# Allegro board mini_trx_layout.brd (continued)
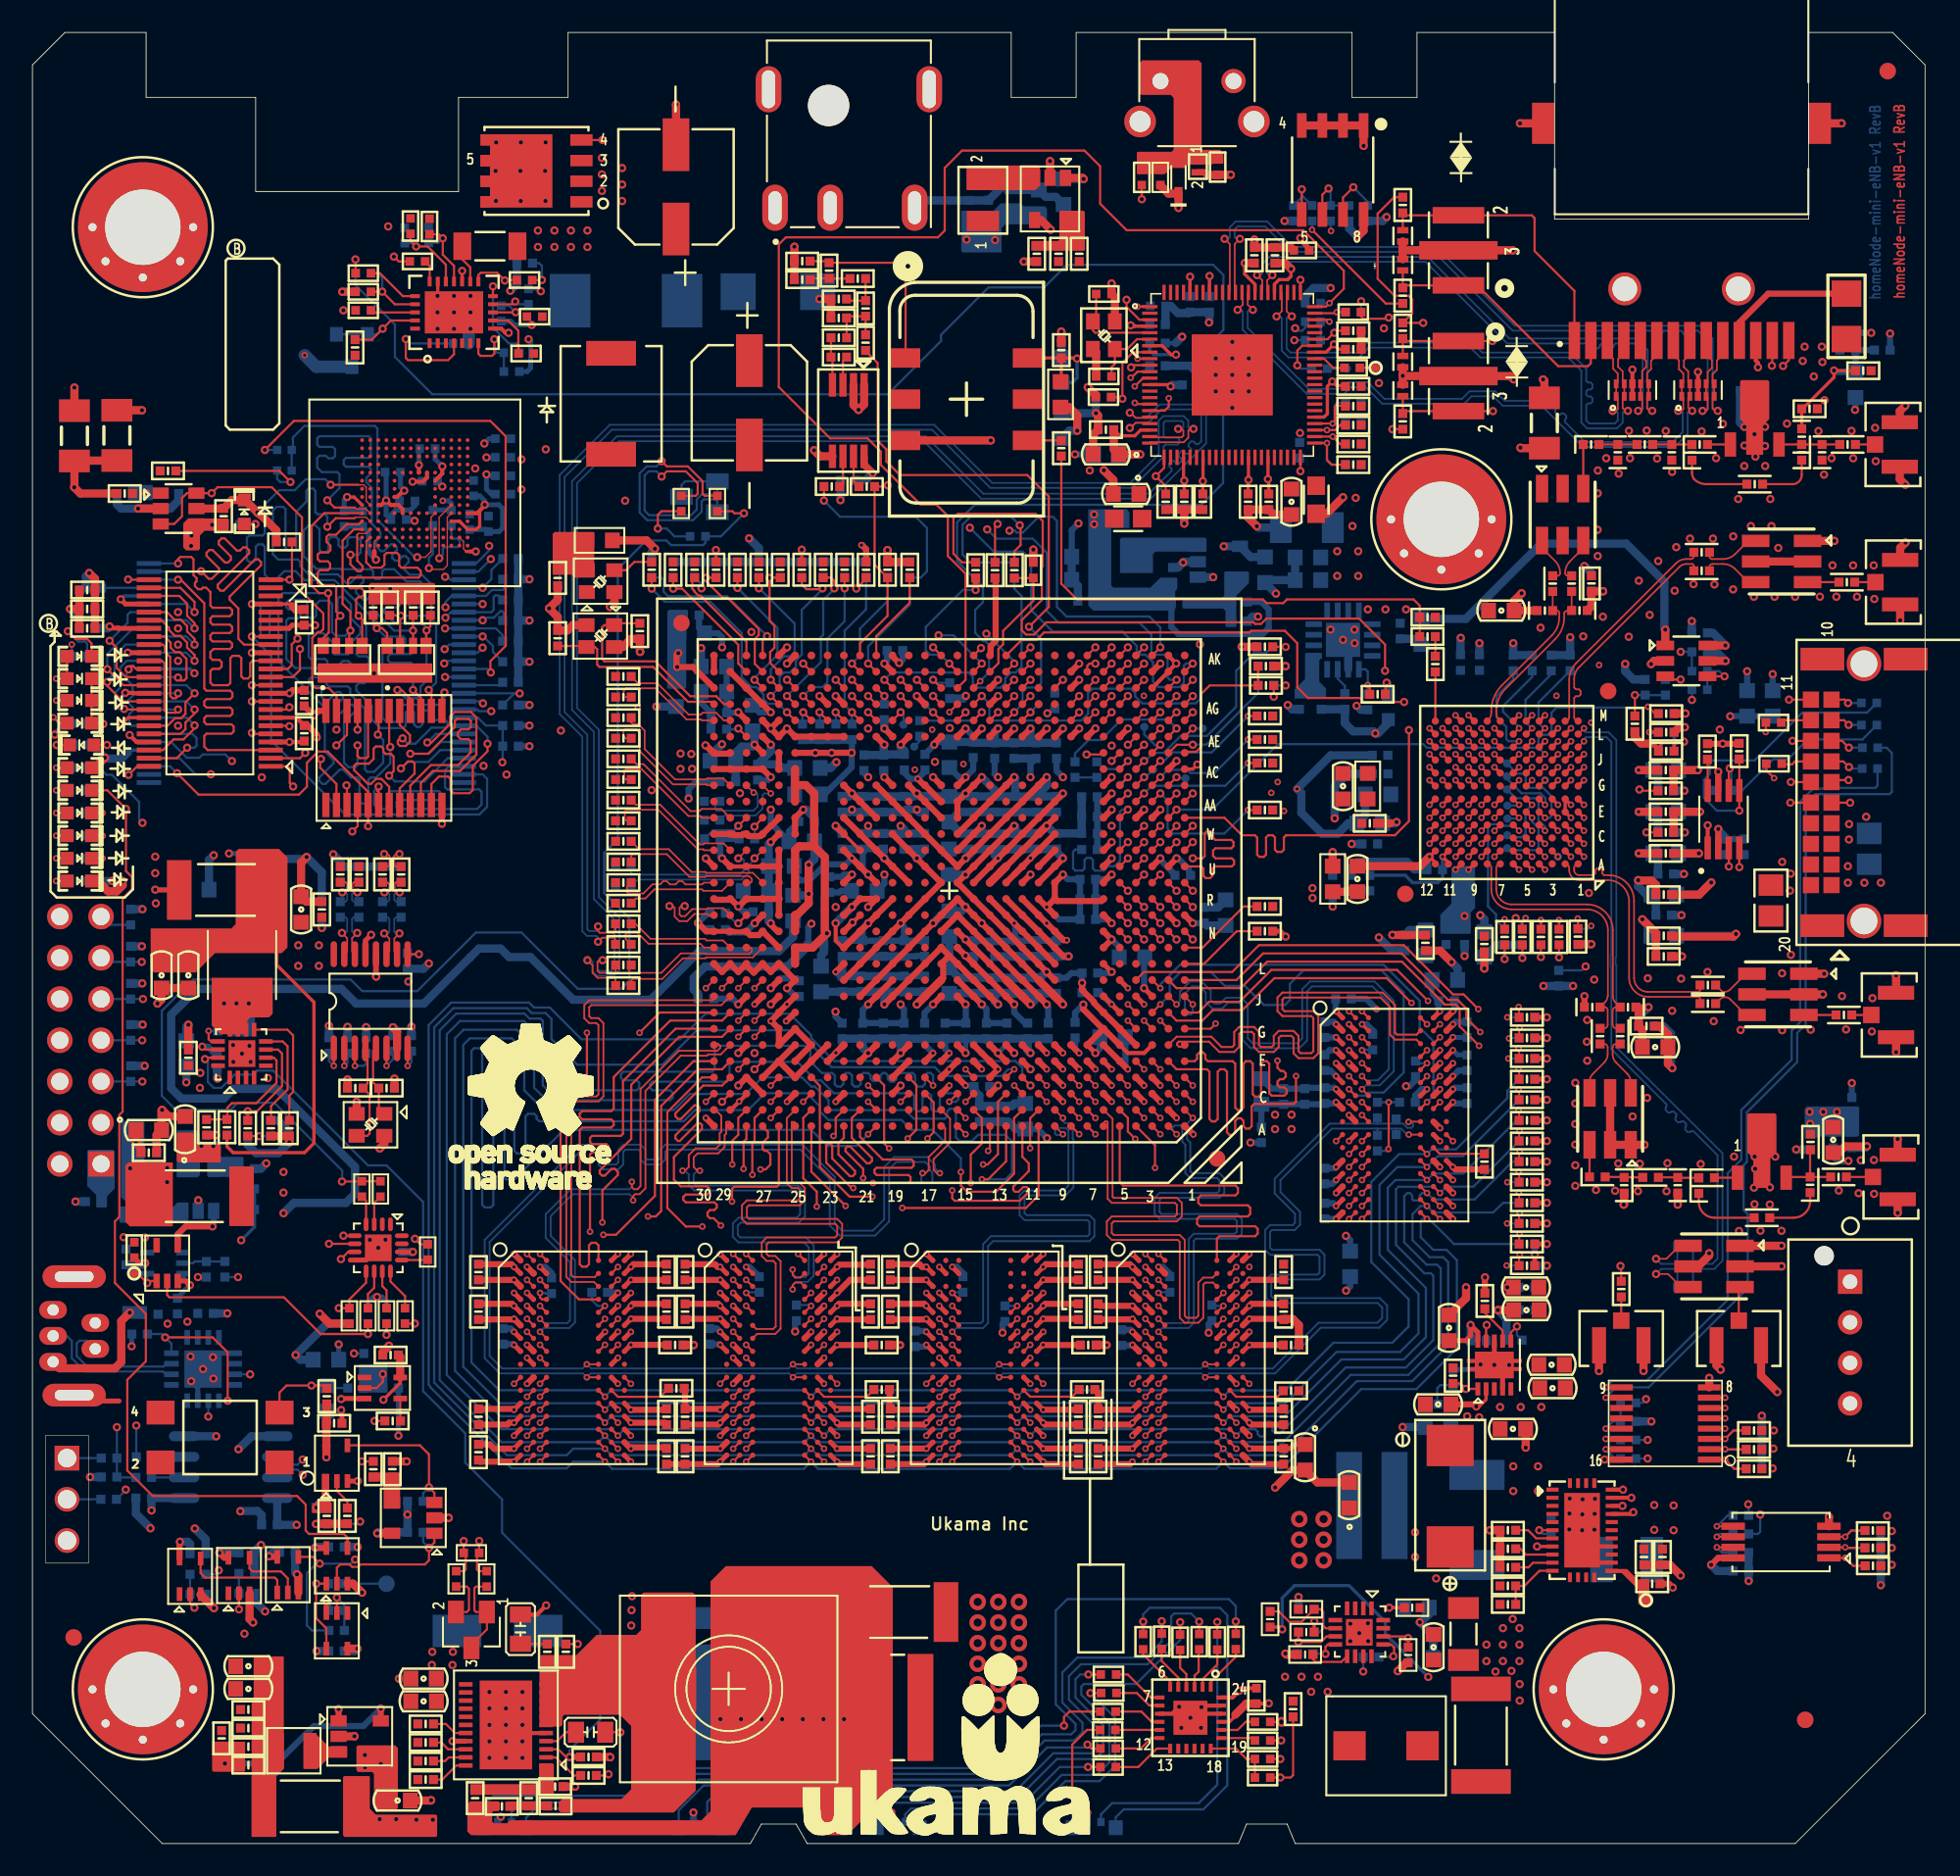
[diagram p0: board, top side]
## Routing (per net, layer and track width the routed paths; a pad name or vN(x,y) marks a point on that pad's centre or on a via; arc(x,y) is an arc through that point) (continued)
7130_BOOT_AD8: length 54.2
  TOP w0.137: v1(66.49,66.71) U1.AD5
  L6-SIGNAL w0.127: v1(28.95,66.63) 33.14,70.82 36.6,70.82 39.9,74.12 42.18,74.12 43.16,75.1 45.54,75.1 45.75,74.9 56.41,74.9 57.26,74.04 57.26,72.39 57.04,72.17 57.04,71.53 57.4,71.16 57.69,71.16 57.95,70.9 57.95,70.62 58.41,70.15 58.67,70.15 58.93,69.89 58.93,68.64 60.61,66.96 61.87,66.96 63.04,65.78 63.04,65.53 63.3,65.27 65.13,65.27 66.12,66.25 66.45,66.58 66.45,66.67 v1(66.49,66.71)
  BOTTOM w0.137: U64.20 26.58,69.38 27.44,69.38 27.93,68.89 R433.1 R434.1 28.97,66.65 v1(28.95,66.63)
7130_BOOT_AD9: length 80.2
  TOP w0.137: U1.AJ1 v1(71.49,72.71)
  L3-SIGNAL w0.127: v1(57.75,81.08) 57.75,80.71 58.38,80.08 60.62,80.08 61.27,80.74 61.27,81.42 60.93,81.76 58.86,81.76 55.22,85.4 54.83,85.78 50,85.78 48.84,86.94 34.38,86.94 28.88,81.44 28.88,79.12 28.47,78.71 27.96,78.71 26.21,76.95 26.13,76.95 26.13,76.95 25.12,76.95 24.65,76.48 24.65,74.98 25.19,74.44 27.68,74.44 v1(27.73,74.38)
  BOTTOM w0.137: v1(57.75,81.08) 59.23,79.61 61,79.61 61.52,79.09 61.52,76.01 62.85,74.68 67.15,74.68 68.04,73.8 68.04,73.52 68.3,73.26 68.57,73.26 69.04,72.8 69.04,71.6 69.38,71.26 70.67,71.26 70.94,71.52 70.94,72.57 71.07,72.71 v1(71.49,72.71) ; U64.10 26.58,74.38 v1(27.73,74.38) 27.78,74.38 28.37,73.79 28.37,73.43 R430.1
7130_BOOT_AD10: length 78.7
  TOP w0.137: U1.AH2 v1(70.49,71.71)
  L3-SIGNAL w0.127: v1(58.82,80.98) 58.82,81.33 54.74,85.41 47.97,85.41 46.77,86.61 38.17,86.61 37.79,86.24 34.07,86.24 33.03,85.2 33.03,85.02 33.42,84.62 33.42,84.44 33.24,84.26 33.06,84.26 32.67,84.66 32.49,84.66 32.31,84.48 32.31,84.3 32.71,83.9 32.71,83.72 32.53,83.55 32.35,83.55 31.95,83.94 31.77,83.94 31.59,83.76 31.59,83.58 31.99,83.19 31.99,83.01 31.81,82.83 31.63,82.83 31.23,83.22 31.05,83.22 30.88,83.04 30.88,82.86 31.27,82.47 31.27,82.29 31.09,82.11 30.91,82.11 30.61,82.41 30.43,82.41 29.21,81.2 29.21,80.95 29.34,80.82 30.2,80.82 30.32,80.69 30.32,80.44 30.2,80.31 29.34,80.31 29.21,80.18 29.21,79.81 29.34,79.69 30.46,79.69 30.58,79.56 30.58,79.31 30.46,79.18 30.36,79.18 30.23,79.05 30.23,78.53 30.1,78.4 29.85,78.4 29.72,78.53 29.72,79.05 29.6,79.18 29.34,79.18 29.21,79.05 29.21,78.15 29.03,77.97 27.7,77.97 27.54,77.81 26.35,76.62 25.26,76.62 24.98,76.34 24.98,75.32 v1(25.42,74.88)
  BOTTOM w0.137: R425.1 28.97,74.46 28.55,74.88 U64.9 25.42,74.88 v1(25.42,74.88) ; v1(58.82,80.98) 59.39,80.41 61.62,80.41 62.49,79.54 62.49,75.96 63.21,75.24 68.19,75.24 68.94,74.49 68.94,73.4 69.07,73.26 69.8,73.26 69.94,73.12 69.94,71.85 70.07,71.71 v1(70.49,71.71)
7130_BOOT_AD11: length 83.2
  TOP w0.137: U1.AG3 v1(69.49,70.71)
  L3-SIGNAL w0.127: v1(69.49,70.71) 69.02,71.17 67.28,71.17 66.93,70.83 66.93,70.53 66.67,70.27 64.3,70.27 63.74,70.83 63.04,70.83 62.62,71.25 62.59,71.25 62.59,73.19 62.78,73.38 63.04,73.63 63.04,76.55 60.38,79.2 55.77,79.2 50.64,84.33 46.65,84.33 46.53,84.46 46.53,84.7 46.4,84.83 46.15,84.83 46.02,84.7 46.02,84.46 45.89,84.33 45.64,84.33 45.51,84.46 45.51,84.7 45.38,84.83 45.13,84.83 45,84.7 45,84.46 44.88,84.33 44.62,84.33 44.49,84.46 44.49,84.7 44.37,84.83 44.11,84.83 43.99,84.7 43.99,84.46 43.86,84.33 43.61,84.33 43.48,84.46 43.48,84.7 43.35,84.83 43.1,84.83 42.97,84.7 42.97,84.46 42.84,84.33 42.59,84.33 42.46,84.46 42.46,84.7 42.34,84.83 42.08,84.83 41.95,84.7 41.95,84.46 41.83,84.33 41.57,84.33 41.45,84.46 41.45,84.7 41.32,84.83 41.07,84.83 40.94,84.7 40.94,84.46 40.81,84.33 40.28,84.33 38.99,85.62 38.58,85.62 38.2,85.25 35.62,85.25 33.83,83.46 33.83,76.19 34.22,75.81 34.22,75.56 34.09,75.43 33.81,75.43 33.68,75.3 33.68,75.05 33.81,74.92 34.09,74.92 34.22,74.8 34.22,74.34 33.94,74.06 33.4,74.06 33.28,74.19 33.28,76.29 33.15,76.42 32.89,76.42 32.77,76.29 32.77,75.69 32.64,75.57 32.07,75.57 31.94,75.44 31.94,75.18 32.07,75.06 32.64,75.06 32.77,74.93 32.77,74.19 32.64,74.06 32.39,74.06 31.7,74.74 29.4,74.74 29.27,74.87 29.27,75.27 29.4,75.4 30.05,75.4 30.17,75.52 30.17,75.78 30.05,75.9 29.4,75.9 29.27,76.03 29.27,76.37 29.14,76.49 28.89,76.49 28.76,76.37 28.76,74.87 28.63,74.74 28.37,74.74 v1(27.73,75.38)
  BOTTOM w0.137: U64.8 26.58,75.38 v1(27.73,75.38) 27.89,75.54 28.43,75.54 28.82,75.94 28.94,75.94 29.03,75.85 29.03,75.55 28.97,75.49 R429.1
7130_BOOT_AD12: length 81.9
  TOP w0.137: U1.AF4 v1(68.49,69.71)
  L3-SIGNAL w0.127: v1(68.49,69.71) 68.14,70.06 67.33,70.06 66.93,69.66 66.93,69.53 66.67,69.27 66.63,69.27 66.57,69.2 63.84,69.2 62.26,70.78 62.26,73.03 61.93,73.36 61.93,74.17 62.71,74.95 62.71,76.41 60.25,78.87 55.63,78.87 50.5,84 39.74,84 39.01,84.73 35.57,84.73 34.27,83.43 34.27,76.37 35.49,75.15 35.49,74.9 35.36,74.77 34.72,74.77 34.6,74.64 34.6,74.39 34.72,74.26 35.36,74.26 35.49,74.14 35.49,73.75 35.36,73.63 34.87,73.63 34.75,73.5 34.75,72.99 34.62,72.87 34.36,72.87 34.24,72.99 34.24,73.5 34.11,73.63 33.86,73.63 33.73,73.5 33.73,72.99 33.6,72.87 33.35,72.87 33.22,72.99 33.22,73.5 33.09,73.63 32.84,73.63 32.71,73.5 32.71,72.99 32.59,72.87 32.33,72.87 32.21,72.99 32.21,73.5 32.08,73.63 31.82,73.63 31.7,73.75 31.7,74.26 31.57,74.39 31.32,74.39 31.19,74.26 31.19,73.72 31.06,73.59 30.81,73.59 30.68,73.72 30.68,74.26 30.55,74.39 30.3,74.39 30.17,74.26 30.17,73.72 30.05,73.59 29.79,73.59 29.67,73.72 29.67,74.26 29.54,74.39 29.28,74.39 29.16,74.26 29.16,73.75 28.95,73.55 28.45,73.55 28.15,73.85 28.15,74.55 27.91,74.8 26.18,74.8 v1(25.44,75.54)
  BOTTOM w0.137: R428.1 28.96,76.64 28.69,76.91 28.51,76.91 28.41,76.81 28.41,76.03 28.27,75.88 26.58,75.88 U64.7 25.78,75.88 v1(25.44,75.54)
7130_BOOT_AD13: length 48
  TOP w0.137: v1(64.94,67.11) 65.89,67.11 U1.AD6
  L6-SIGNAL w0.127: v1(27.73,76.38) 27.95,76.38 30.13,78.55 34.88,78.55 36.65,76.79 41.93,76.79 42.96,77.82 44.95,77.82 45.59,77.18 46.36,77.18 46.64,76.9 46.79,76.9 50.56,76.9 50.57,76.89 57.2,76.89 57.22,76.88 57.23,76.88 58.08,76.02 59.27,76.02 60.95,74.34 60.95,73.61 61.3,73.27 61.56,73.27 62.38,72.44 62.38,71.25 63.71,69.92 63.71,69.34 63.95,69.1 63.95,68.1 v1(64.94,67.11)
  BOTTOM w0.137: U64.6 26.58,76.38 v1(27.73,76.38)
7130_BOOT_AD14: length 82
  TOP w0.137: U1.AH4 v1(68.49,71.71)
  L3-SIGNAL w0.127: v1(68.49,71.71) 68.04,72.15 67.17,72.15 67.04,72.03 67.04,71.64 66.57,71.16 63.18,71.16 62.92,71.42 62.92,73.05 63.37,73.49 63.37,76.69 60.52,79.53 55.98,79.53 50.76,84.75 47.69,84.75 46.49,85.95 45.9,85.95 45.77,85.82 45.77,85.31 45.65,85.18 45.39,85.18 45.27,85.31 45.27,85.82 45.14,85.95 44.89,85.95 44.76,85.82 44.76,85.31 44.63,85.18 44.38,85.18 44.25,85.31 44.25,85.82 44.12,85.95 43.87,85.95 43.74,85.82 43.74,85.31 43.62,85.18 43.36,85.18 43.23,85.31 43.23,85.82 43.11,85.95 42.85,85.95 42.73,85.82 42.73,85.31 42.6,85.18 42.35,85.18 42.22,85.31 42.22,85.82 42.09,85.95 41.84,85.95 41.71,85.82 41.71,85.31 41.58,85.18 41.33,85.18 41.2,85.31 41.2,85.82 41.08,85.95 40.82,85.95 40.69,85.82 40.69,85.31 40.57,85.18 40.31,85.18 40.19,85.31 40.19,85.82 40.06,85.95 38.44,85.95 38.07,85.58 35.49,85.58 33.35,83.44 33.35,82.89 33.22,82.76 32.56,82.76 32.44,82.64 32.44,82.38 32.56,82.25 33.22,82.25 33.35,82.13 33.35,81.87 33.22,81.75 32.56,81.75 32.44,81.62 32.44,81.37 32.56,81.24 33.22,81.24 33.35,81.11 33.35,80.86 33.22,80.73 32.56,80.73 32.44,80.6 32.44,80.35 32.56,80.22 33.22,80.22 33.35,80.1 33.35,79.84 33.22,79.71 32.56,79.71 32.44,79.59 32.44,79.33 32.56,79.21 33.22,79.21 33.35,79.08 33.35,78.83 33.22,78.7 32.56,78.7 32.44,78.57 32.44,78.32 32.56,78.19 33.22,78.19 33.35,78.06 33.35,77.41 32.76,76.82 27.48,76.82 26.84,76.18 v1(25.44,76.18)
  BOTTOM w0.137: v1(25.44,76.18) 25.45,76.18 25.45,76.51 25.82,76.88 U64.5 27.94,76.88 28.31,77.25 28.98,77.25 29.11,77.37 29.11,77.77 R427.1
7130_BOOT_AD15: length 79.7
  TOP w0.137: U1.AK3 v1(69.49,73.71)
  L3-SIGNAL w0.127: v1(27.73,77.38) 31.95,77.38 32.11,77.54 32.11,78.38 31.9,78.58 31.04,78.58 30.91,78.71 30.91,79.52 31.04,79.65 31.68,79.65 31.8,79.78 31.8,80.03 31.68,80.16 31.04,80.16 30.91,80.28 30.91,80.54 31.04,80.67 31.68,80.67 31.8,80.79 31.8,81.05 31.68,81.17 31.04,81.17 30.91,81.3 30.91,81.55 31.04,81.68 31.68,81.68 31.8,81.81 31.8,82.42 35.3,85.91 37.93,85.91 38.3,86.28 46.63,86.28 47.83,85.08 52.63,85.08 52.89,84.83 52.89,84.65 52.72,84.48 52.72,84.3 52.9,84.12 53.08,84.12 53.24,84.29 53.42,84.29 53.94,83.78 53.94,83.6 53.25,82.91 53.25,82.73 53.43,82.55 53.61,82.55 54.29,83.24 54.47,83.24 54.65,83.06 54.65,82.88 53.97,82.19 53.97,82.01 54.15,81.83 54.33,81.83 55.01,82.52 55.19,82.52 55.37,82.34 55.37,82.16 54.69,81.47 54.69,81.29 54.87,81.12 55.04,81.12 55.73,81.8 55.91,81.8 56.09,81.62 56.09,81.44 55.4,80.76 55.4,80.58 55.58,80.4 55.76,80.4 56.1,80.74 56.28,80.74 56.92,80.1 57.1,80.1 57.25,80.25 57.25,80.48 56.64,81.09 56.64,81.27 56.89,81.52 57.94,81.52 58.2,81.26 58.2,80.73 58.51,80.41 59.72,80.41 60.19,80.88 v1(60.19,80.9)
  BOTTOM w0.137: R426.1 28.27,78.48 28.27,77.92 v1(27.73,77.38) 26.58,77.38 U64.4 ; v1(69.49,73.71) 69.49,74.93 68.81,75.61 63.71,75.61 63.12,76.2 63.12,81.5 62.87,81.75 61.98,81.75 61.01,80.78 60.64,80.78 60.52,80.9 v1(60.19,80.9)
7130_BOOT_AD16: length 105.5
  TOP w0.137: U22.47 8.88,66.88 v1(9.53,67.52) ; v1(67.49,70.71) U1.AG5
  L6-SIGNAL w0.127: v1(9.53,67.52) 9.54,67.54 9.54,71.06 10.15,71.67 10.16,71.67 10.42,71.93 10.42,71.94 10.52,72.05 10.52,74.87 10.52,75.14 17.37,81.98 19.23,81.98 19.84,82.59 19.84,85.54 21.03,86.73 31.78,86.73 32.74,85.77 32.74,85.6 32.59,85.44 32.59,85.26 32.76,85.09 32.94,85.09 33.1,85.24 33.27,85.24 33.45,85.06 33.45,84.88 33.3,84.73 33.3,84.55 33.48,84.37 33.66,84.37 33.81,84.52 33.99,84.52 35.36,83.15 35.36,82.16 35.94,81.59 37.38,81.59 38.65,82.85 45.79,82.85 47.13,81.51 54.74,81.51 56.41,79.84 58.16,79.84 59.33,79.84 59.74,79.43 60.77,79.43 61.22,79.89 61.22,79.92 61.48,80.18 62.71,80.18 62.84,80.05 62.84,79.31 62.96,79.18 63.22,79.18 63.35,79.31 63.35,80.05 63.47,80.18 63.73,80.18 63.85,80.05 63.85,79.31 63.98,79.18 64.23,79.18 64.36,79.31 64.36,80.05 64.49,80.18 64.74,80.18 64.87,80.05 64.87,79.31 65,79.18 65.25,79.18 65.38,79.31 65.38,80.05 65.5,80.18 66.07,80.18 66.49,79.75 66.49,79.57 66.24,79.32 66.24,79.14 66.42,78.96 66.6,78.96 66.85,79.22 67.03,79.22 67.21,79.04 67.21,78.86 66.96,78.6 66.96,78.42 67.14,78.25 67.32,78.25 67.57,78.5 67.75,78.5 67.93,78.32 67.93,78.14 67.68,77.89 67.68,77.71 67.86,77.53 68.04,77.53 68.29,77.78 68.47,77.78 69.02,77.23 69.02,76.65 68.89,76.53 68.42,76.53 68.29,76.4 68.29,76.14 68.42,76.02 68.89,76.02 69.02,75.89 69.02,75.64 68.89,75.51 68.42,75.51 68.29,75.38 68.29,75.13 68.42,75 68.89,75 69.02,74.87 69.02,72.5 68.67,72.15 68.3,72.15 68.04,71.89 68.04,71.58 67.75,71.29 67.75,70.97 v1(67.49,70.71)
  BOTTOM w0.137: v1(9.53,67.52) 9.98,67.52 10.11,67.66 10.11,68.11 9.85,68.38 U64.35
7130_BOOT_AD17: length 107.5
  TOP w0.137: U22.46 8.03,67.38 8.69,68.04 9.3,68.04 9.99,68.72 v1(9.99,68.9) ; v1(68.49,72.71) U1.AJ4
  L3-SIGNAL w0.127: v1(68.49,72.71) 68.93,73.15 69.74,73.15 70.02,73.43 70.02,82.66 64.36,88.32 63.47,88.32 61.23,90.56 17.91,90.56 17.08,89.73 15.32,89.73 14.74,89.15 5.02,79.43 5.02,79.14 3.32,77.45 3.32,75.66 3.32,75.66 3.32,71.61 5.46,69.47 5.46,69.47 5.51,69.42 9.46,69.42 v1(9.99,68.9)
  BOTTOM w0.137: U64.37 9.51,69.38 v1(9.99,68.9)
7130_BOOT_AD18: length 104.2
  TOP w0.137: v1(9.99,69.88) 9.99,69.64 9.43,69.08 9.43,68.67 9.14,68.38 7.18,68.38 U22.44 ; v1(66.49,69.71) U1.AF6
  L6-SIGNAL w0.127: v1(66.49,69.71) 66.93,70.15 66.93,70.93 67.05,71.05 67.05,71.52 67.04,71.53 67.04,73.89 67.05,73.9 67.05,75.95 64.56,78.44 59.79,78.44 59.64,78.59 59.06,79.18 56.09,79.18 54.48,80.79 46.92,80.79 46.41,81.3 39.27,81.3 39.04,81.53 38.26,81.53 37.66,80.92 35.66,80.92 34.02,82.57 33.34,82.57 33.22,82.44 33.22,81.86 33.09,81.73 32.83,81.73 32.71,81.86 32.71,82.44 32.58,82.57 28.73,82.57 28.22,83.08 26.54,83.08 26.26,83.36 26.26,85.42 25.97,85.72 23.01,85.72 22.73,85.44 22.73,84.63 22.61,84.5 22.12,84.5 21.99,84.37 21.99,83.64 21.86,83.52 21.61,83.52 21.48,83.64 21.48,84.37 21.35,84.5 20.97,84.5 20.78,84.3 20.78,82.21 20.91,82.08 22.63,82.08 22.78,81.93 22.78,81.7 22.66,81.57 20.91,81.57 20.78,81.44 20.78,81.04 20.4,80.66 19.09,80.66 18.97,80.54 18.97,79.99 18.84,79.86 18.58,79.86 18.46,79.99 18.46,80.54 18.33,80.66 17.07,80.66 16.85,80.44 16.85,80.27 17.51,79.6 17.51,79.42 17.33,79.24 17.15,79.24 16.49,79.91 16.31,79.91 16.13,79.73 16.13,79.55 16.8,78.89 16.8,78.71 16.62,78.53 16.44,78.53 15.77,79.19 15.6,79.19 14.17,77.76 14.17,77.58 14.85,76.91 14.85,76.73 14.67,76.55 14.49,76.55 13.81,77.22 13.63,77.22 12.52,76.12 12.52,75.94 13.14,75.32 13.14,75.14 12.96,74.96 12.78,74.96 12.16,75.58 11.98,75.58 11.18,74.78 11.18,71.56 10.71,71.09 10.71,70.61 v1(9.99,69.88)
  BOTTOM w0.137: v1(9.99,69.88) 9.49,70.38 U64.39
7130_BOOT_AD19: length 104.4
  TOP w0.137: v1(67.49,71.71) U1.AH5 ; v1(9.99,70.88) 9.43,70.32 9.43,69.61 9.15,69.34 8.78,69.34 8.32,68.88 U22.43
  L6-SIGNAL w0.127: v1(9.99,70.88) 10.85,71.75 10.85,75 17.5,81.65 18.88,81.65 19.01,81.53 19.01,81.27 19.13,81.15 19.39,81.15 19.51,81.27 19.51,81.53 19.64,81.65 20.27,81.65 20.4,81.78 20.4,85.44 21.16,86.2 21.53,86.2 21.65,86.07 21.65,85.18 21.81,85.03 22.04,85.03 22.16,85.16 22.16,86.07 22.29,86.2 26.42,86.2 26.77,85.85 26.77,84.05 27.11,83.71 28.25,83.71 28.55,84.02 30.59,84.02 30.72,83.89 30.72,82.97 30.85,82.85 31.1,82.85 31.23,82.97 31.23,83.89 31.36,84.02 31.61,84.02 31.74,83.89 31.74,82.97 31.86,82.85 32.12,82.85 32.24,82.97 32.24,83.89 32.37,84.02 33,84.02 35.55,81.47 35.59,81.47 35.8,81.26 37.52,81.26 38.76,82.49 39.2,82.49 39.32,82.36 39.32,81.95 39.45,81.82 39.7,81.82 39.83,81.95 39.83,82.36 39.96,82.49 40.21,82.49 40.34,82.36 40.34,81.95 40.47,81.82 40.72,81.82 40.85,81.95 40.85,82.36 40.97,82.49 41.23,82.49 41.35,82.36 41.35,81.95 41.48,81.82 41.74,81.82 41.86,81.95 41.86,82.36 41.99,82.49 42.24,82.49 42.37,82.36 42.37,81.95 42.5,81.82 42.75,81.82 42.88,81.95 42.88,82.36 43.01,82.49 44.4,82.49 44.53,82.36 44.53,81.81 44.66,81.68 44.91,81.68 45.04,81.81 45.04,82.36 45.16,82.49 45.68,82.49 47.06,81.12 54.61,81.12 56.22,79.51 59.2,79.51 59.85,78.85 65.8,78.85 65.99,78.66 65.99,78.48 65.58,78.07 65.58,77.89 65.76,77.71 65.94,77.71 66.35,78.12 66.53,78.12 66.71,77.94 66.71,77.76 66.3,77.35 66.3,77.17 66.48,76.99 66.66,76.99 67.07,77.4 67.25,77.4 67.96,76.69 67.96,76.31 67.84,76.18 67.51,76.18 67.38,76.06 67.38,75.8 67.51,75.68 67.84,75.68 67.96,75.55 67.96,75.3 67.84,75.17 67.51,75.17 67.38,75.04 67.38,74.79 67.51,74.66 67.84,74.66 67.96,74.53 67.96,72.28 67.71,72.03 67.71,71.94 v1(67.49,71.71)
  BOTTOM w0.137: v1(9.99,70.88) 9.49,71.38 U64.41
7130_BOOT_AD20: length 109.1
  TOP w0.137: v1(5.64,69.92) 5.68,69.88 U22.41 ; v1(68.49,73.71) U1.AK4
  L3-SIGNAL w0.127: v1(5.64,69.92) 4.42,71.14 4.42,71.14 4.16,71.4 4.16,71.4 3.72,71.84 3.72,72.78 3.65,72.85 3.65,75.52 3.65,75.52 3.65,77.31 5.35,79 5.35,79.29 13.3,87.24 16.11,87.24 16.24,87.37 16.24,87.9 16.36,88.03 16.62,88.03 16.75,87.9 16.75,87.37 16.87,87.24 17.13,87.24 17.25,87.37 17.25,87.9 17.38,88.03 17.63,88.03 17.76,87.9 17.76,87.37 17.89,87.24 18.14,87.24 18.27,87.37 18.27,87.9 18.4,88.03 18.65,88.03 18.78,87.9 18.78,87.37 18.9,87.24 19.16,87.24 19.29,87.37 19.29,87.9 19.41,88.03 19.67,88.03 19.79,87.9 19.79,87.37 19.92,87.24 20.17,87.24 20.3,87.37 20.3,87.9 20.43,88.03 20.68,88.03 20.81,87.9 20.81,87.37 20.94,87.24 21.19,87.24 21.32,87.37 21.32,87.9 21.44,88.03 21.7,88.03 21.83,87.9 21.83,87.37 21.95,87.24 22.21,87.24 22.33,87.37 22.33,87.9 22.46,88.03 22.71,88.03 22.84,87.9 22.84,87.37 22.97,87.24 23.22,87.24 23.35,87.37 23.35,87.9 23.48,88.03 23.73,88.03 23.86,87.9 23.86,87.37 23.98,87.24 24.83,87.24 27.81,90.23 60.88,90.23 63.11,87.99 64.07,87.99 68.93,83.13 68.93,74.15 v1(68.49,73.71)
  BOTTOM w0.137: U64.44 5.81,72.88 5.41,72.48 5.41,71.24 5.07,70.89 5.07,70.18 5.33,69.92 v1(5.64,69.92)
7130_BOOT_AD21: length 105.5
  TOP w0.137: v1(66.49,70.71) U1.AG6 ; U22.40 7.18,70.38 5.57,70.38 4.61,71.34 v1(4.61,71.58)
  L6-SIGNAL w0.127: v1(4.61,71.58) 6.55,71.58 8.52,69.6 8.52,67.65 9.1,67.07 9.71,67.07 11.04,68.41 11.04,70.95 11.51,71.42 11.51,73.05 12,73.54 12.18,73.54 12.56,73.16 12.74,73.16 12.92,73.34 12.92,73.52 12.54,73.89 12.54,74.07 13.51,75.05 13.63,75.05 13.99,75.4 14.17,75.4 15.38,74.19 15.55,74.19 15.73,74.37 15.73,74.55 14.53,75.76 14.53,75.94 14.71,76.12 14.88,76.12 16.09,74.91 16.27,74.91 16.45,75.09 16.45,75.27 15.24,76.48 15.24,76.66 16.28,77.7 16.28,77.72 17.53,78.97 19.77,78.97 21.62,80.82 23.49,80.82 24.07,81.4 24.35,81.4 24.48,81.27 24.48,80.94 24.61,80.82 24.86,80.82 24.99,80.94 24.99,81.27 25.12,81.4 25.37,81.4 25.5,81.27 25.5,80.94 25.62,80.82 25.88,80.82 26.01,80.94 26.01,81.27 26.13,81.4 26.39,81.4 26.51,81.27 26.51,80.94 26.64,80.82 26.89,80.82 27.02,80.94 27.02,81.27 27.15,81.4 27.4,81.4 27.53,81.27 27.53,80.94 27.66,80.82 27.91,80.82 28.04,80.94 28.04,81.27 28.16,81.4 28.4,81.4 28.53,81.53 28.53,82.06 28.66,82.19 28.91,82.19 29.04,82.06 29.04,81.53 29.16,81.4 29.42,81.4 29.54,81.53 29.54,82.06 29.67,82.19 29.93,82.19 30.05,82.06 30.05,81.53 30.18,81.4 30.43,81.4 30.56,81.53 30.56,82.06 30.69,82.19 30.94,82.19 31.07,82.06 31.07,81.53 31.2,81.4 31.45,81.4 31.58,81.53 31.58,81.96 31.7,82.09 31.96,82.09 32.08,81.96 32.08,81.53 32.21,81.4 34.72,81.4 35.56,80.56 43.18,80.56 43.56,80.94 46.18,80.94 46.67,80.46 54.34,80.46 55.95,78.84 58.92,78.84 59.66,78.11 63.26,78.11 65.98,75.39 65.98,71.21 v1(66.49,70.71)
  BOTTOM w0.137: U64.46 5.74,73.88 5.06,73.2 5.06,72.12 4.61,71.66 v1(4.61,71.58)
7130_BOOT_AD22: length 108.5
  TOP w0.137: v1(4.61,72.36) 4.69,72.28 4.69,72.28 5.6,71.38 U22.38 ; v1(67.49,72.71) U1.AJ5
  L3-SIGNAL w0.127: v1(67.49,72.71) 68.01,73.24 68.01,74.95 68.14,75.08 68.47,75.08 68.6,75.21 68.6,75.46 68.47,75.59 68.14,75.59 68.01,75.72 68.01,75.97 68.14,76.1 68.47,76.1 68.6,76.22 68.6,76.48 68.47,76.61 68.14,76.61 68.01,76.73 68.01,76.99 68.14,77.11 68.47,77.11 68.6,77.24 68.6,77.49 68.47,77.62 68.14,77.62 68.01,77.75 68.01,78 68.14,78.13 68.47,78.13 68.6,78.26 68.6,78.51 68.47,78.64 68.14,78.64 68.01,78.76 68.01,79.02 68.14,79.15 68.47,79.15 68.6,79.27 68.6,79.53 68.47,79.65 68.14,79.65 68.01,79.78 68.01,80.03 68.14,80.16 68.47,80.16 68.6,80.29 68.6,80.54 68.47,80.67 68.14,80.67 68.01,80.8 68.01,81.05 68.14,81.18 68.47,81.18 68.6,81.3 68.6,81.56 68.47,81.69 68.14,81.69 68.01,81.81 68.01,82.07 68.14,82.19 68.47,82.19 68.6,82.32 68.6,82.57 68.47,82.7 68.14,82.7 68.01,82.83 68.01,83.57 65.1,86.49 62.76,86.49 59.35,89.9 28.59,89.9 28.58,89.88 28.2,89.88 24.82,86.5 22.66,86.5 22.54,86.63 22.54,86.78 22.41,86.91 22.15,86.91 22.03,86.78 22.03,86.63 21.9,86.5 21.65,86.5 21.52,86.63 21.52,86.78 21.39,86.91 21.14,86.91 21.01,86.78 21.01,86.63 20.88,86.5 20.63,86.5 20.5,86.63 20.5,86.78 20.38,86.91 20.12,86.91 20,86.78 20,86.63 19.87,86.5 19.61,86.5 19.49,86.63 19.49,86.78 19.36,86.91 19.11,86.91 18.98,86.78 18.98,86.63 18.85,86.5 15.92,86.5 11.98,82.57 9.53,82.57 7.11,80.15 7.11,79.48 6.99,79.36 6.48,79.36 6.35,79.23 6.35,78.98 6.48,78.85 6.99,78.85 7.11,78.72 7.11,78.47 6.99,78.34 6.48,78.34 6.35,78.21 6.35,77.96 6.48,77.83 6.99,77.83 7.11,77.71 7.11,76.52 6.61,76.01 4.53,76.01 3.98,75.47 3.98,75.39 3.98,75.38 3.98,73.2 4.04,73.14 4.04,72.93 v1(4.61,72.36)
  BOTTOM w0.137: U64.48 6.19,74.88 4.61,73.3 v1(4.61,72.36)
7130_BOOT_AD23: length 107.6
  TOP w0.137: v1(66.49,71.71) U1.AH6 ; v1(4.75,74.12) 5.19,73.69 5.19,72.44 5.75,71.88 U22.37
  L3-SIGNAL w0.127: v1(4.75,74.12) 6.5,74.12 6.86,73.75 6.86,71.39 7.09,71.16 7.57,71.16 7.84,71.44 7.84,79.89 9.78,81.83 12.27,81.83 16.28,85.84 25.25,85.84 28.6,89.2 52.46,89.2 52.59,89.07 52.59,88.46 52.71,88.33 52.97,88.33 53.09,88.46 53.09,89.07 53.22,89.2 53.47,89.2 53.6,89.07 53.6,88.46 53.73,88.33 53.98,88.33 54.11,88.46 54.11,89.07 54.24,89.2 54.49,89.2 54.62,89.07 54.62,88.46 54.74,88.33 55,88.33 55.13,88.46 55.13,89.07 55.25,89.2 55.51,89.2 55.63,89.07 55.63,88.46 55.76,88.33 56.01,88.33 56.14,88.46 56.14,89.07 56.27,89.2 56.52,89.2 56.65,89.07 56.65,88.46 56.78,88.33 57.03,88.33 57.16,88.46 57.16,89.07 57.28,89.2 57.54,89.2 57.67,89.07 57.67,88.46 57.79,88.33 58.05,88.33 58.17,88.46 58.17,89.07 58.3,89.2 58.98,89.2 65.17,83 65.86,83 66.7,82.16 66.7,74.12 66.93,73.89 66.93,73.53 66.7,73.3 66.7,73.12 66.93,72.89 66.93,72.53 66.49,72.08 v1(66.49,71.71)
  BOTTOM w0.137: U64.50 6.02,75.88 5.86,75.72 5.86,75.22 v1(4.75,74.12)
7130_BOOT_AD24: length 106.4
  TOP w0.137: v1(5.92,72.35) 5.93,72.37 5.93,72.44 6.05,72.56 6.21,72.56 6.39,72.38 U22.36 ; v1(65.49,69.71) U1.AF7
  L6-SIGNAL w0.127: v1(5.92,72.35) 5.71,72.35 4.93,73.13 4.29,73.13 3.83,72.68 3.83,71.1 5.46,69.47 6.04,69.47 6.63,68.88 6.63,68.02 6.76,67.9 7.57,67.9 7.7,67.77 7.7,67.51 7.57,67.39 6.76,67.39 6.63,67.26 6.63,66.11 7.29,65.45 7.97,65.45 8.09,65.32 8.09,64.74 8.22,64.61 8.47,64.61 8.6,64.74 8.6,65.32 8.73,65.45 9.76,65.45 12.3,67.99 12.3,71.77 12.65,72.13 14.51,72.13 15.05,71.58 15.05,68.53 15.06,68.52 15.06,67.56 16.66,65.96 18,65.96 18.55,66.51 18.55,67.15 18.29,67.41 18.29,67.48 18.28,67.49 18.28,67.85 18.29,67.86 18.29,68.45 18.28,68.46 18.28,68.82 18.71,69.25 18.71,74.58 19.41,75.28 19.41,75.87 19.81,76.26 22.2,76.26 23.46,77.53 25.75,77.53 26.6,78.37 28.89,78.37 29.88,79.36 35.36,79.36 35.39,79.33 35.91,78.82 45.81,78.82 46.08,78.54 50.88,78.54 51.56,77.85 58.51,77.85 60.58,75.78 61.72,75.78 63.98,73.52 63.98,71.59 64.3,71.27 64.56,71.27 64.93,70.89 64.93,70.64 65.49,70.08 v1(65.49,69.71)
  BOTTOM w0.137: U64.36 6.1,68.88 5.97,69.02 5.97,69.6 6.18,69.82 6.18,70.01 5.92,70.28 5.92,70.47 6.17,70.72 6.17,71.36 5.8,71.73 5.8,72.24 v1(5.92,72.35)
7130_BOOT_AD25: length 106
  TOP w0.137: v1(8.97,69.88) 8.97,69.82 8.83,69.68 8.27,69.68 8.13,69.82 8.13,72.73 7.98,72.88 U22.35 ; v1(67.49,73.71) U1.AK5
  L3-SIGNAL w0.127: v1(67.49,73.71) 67.6,73.82 67.6,76.42 67.47,76.55 67.21,76.55 67.08,76.68 67.08,76.93 67.21,77.06 67.47,77.06 67.6,77.19 67.6,77.44 67.47,77.57 67.21,77.57 67.08,77.69 67.08,77.95 67.21,78.07 67.47,78.07 67.6,78.2 67.6,78.46 67.47,78.58 67.21,78.58 67.08,78.71 67.08,78.96 67.21,79.09 67.47,79.09 67.6,79.22 67.6,79.47 67.47,79.6 67.21,79.6 67.08,79.73 67.08,79.98 67.21,80.11 67.47,80.11 67.6,80.23 67.6,80.49 67.47,80.61 67.21,80.61 67.08,80.74 67.08,81 67.21,81.12 67.47,81.12 67.6,81.25 67.6,81.73 66,83.33 65.31,83.33 59.09,89.55 28.49,89.55 25.11,86.17 16.05,86.17 12.07,82.19 9.65,82.19 7.57,80.1 7.57,80.09 7.51,80.03 7.51,74.8 7.18,74.47 6.48,74.47 6.36,74.59 6.36,75.53 6.23,75.66 5.98,75.66 5.85,75.53 5.85,74.59 5.72,74.47 5.34,74.47 5.2,74.6 5.2,75.18 4.92,75.46 4.44,75.46 4.31,75.33 4.31,75.25 4.31,75.25 4.31,73.34 7.77,69.88 v1(8.97,69.88)
  BOTTOM w0.137: U64.38 v1(8.97,69.88)
7130_BOOT_AD26: length 105.9
  TOP w0.137: v1(66.49,72.71) U1.AJ6 ; v1(8.97,70.88) 8.97,70.72 8.83,70.58 8.62,70.58 8.49,70.71 8.49,73.11 8.16,73.44 8.16,73.75 8.03,73.88 U22.33
  L3-SIGNAL w0.127: v1(8.97,70.88) 9.41,71.32 10.07,71.32 10.46,71.72 10.46,73.03 10.17,73.32 9.81,73.32 9.51,73.62 9.51,76.18 11.35,78.02 11.35,78.2 11.09,78.46 11.09,78.64 11.27,78.82 11.45,78.82 11.71,78.56 11.89,78.56 12.07,78.74 12.07,78.91 11.8,79.18 11.8,79.36 11.98,79.54 12.16,79.54 12.43,79.27 12.61,79.27 12.79,79.45 12.79,79.63 12.52,79.9 12.52,80.08 12.7,80.26 12.88,80.26 13.15,79.99 13.33,79.99 14,80.66 14.66,80.66 15.19,81.2 15.19,82.14 15.78,82.72 16.54,82.72 16.97,83.15 17.15,83.15 17.41,82.89 17.59,82.89 17.77,83.07 17.77,83.25 17.51,83.51 17.51,83.69 18.7,84.88 19.32,84.88 19.45,84.75 19.45,83.54 19.58,83.42 19.83,83.42 19.96,83.54 19.96,84.83 20.09,84.96 20.32,84.96 20.44,84.83 20.44,83.57 20.59,83.42 20.82,83.42 20.95,83.54 20.95,84.83 21.08,84.96 21.33,84.96 21.46,84.83 21.46,83.57 21.61,83.42 21.86,83.42 21.99,83.54 21.99,84.9 22.12,85.03 22.8,85.03 22.92,84.9 22.92,84.55 23.07,84.4 25.63,84.4 25.95,84.72 26.13,84.72 26.38,84.47 26.56,84.47 26.74,84.65 26.74,84.83 26.3,85.27 26.3,85.45 26.48,85.63 26.66,85.63 27.1,85.19 27.28,85.19 27.46,85.37 27.46,85.55 27.02,85.99 27.02,86.38 27.74,87.1 28.13,87.1 28.78,86.45 28.96,86.45 29.14,86.62 29.14,86.8 28.49,87.46 28.49,87.64 28.78,87.93 35.31,87.93 35.32,87.93 50.01,87.93 50.27,87.67 59.57,87.67 64.9,82.34 65.59,82.34 66.04,81.89 66.04,73.15 v1(66.49,72.71)
  BOTTOM w0.137: U64.40 v1(8.97,70.88)
7130_BOOT_AD27: length 103.3
  TOP w0.137: v1(65.49,70.71) U1.AG7 ; v1(8.97,71.85) 9.14,71.67 9.35,71.67 9.49,71.81 9.49,73.01 9.07,73.42 8.78,73.42 8.51,73.69 8.51,74.01 8.14,74.38 7.18,74.38 U22.32
  L6-SIGNAL w0.127: v1(65.49,70.71) 65.49,71.08 64.93,71.64 64.93,73.09 61.53,76.49 60.34,76.49 58.65,78.18 55.26,78.18 54.57,78.87 46.22,78.87 45.95,79.15 36.04,79.15 35.53,79.66 35.34,79.85 29.65,79.85 28.51,78.71 25.44,78.71 24.6,77.87 21.93,77.87 21.39,77.33 21.39,77.24 20.91,76.76 18.55,76.76 17.95,76.16 17.95,68.32 17.96,68.32 17.96,67.99 17.95,67.99 17.95,67.28 18.22,67.01 18.22,66.65 17.86,66.29 16.79,66.29 15.39,67.7 15.39,68.66 15.38,68.67 15.38,71.78 14.58,72.59 12.6,72.59 11.84,71.83 11.84,68.63 9.96,66.74 8.96,66.74 8.19,67.51 8.19,67.99 5.73,70.46 4.94,70.46 4.16,71.24 4.16,72.54 4.42,72.8 4.79,72.8 5.69,71.91 8.91,71.91 v1(8.97,71.85)
  BOTTOM w0.137: U64.42 8.94,71.88 v1(8.97,71.85)
7130_BOOT_AD28: length 107.5
  TOP w0.137: U22.30 7.18,75.38 7.95,75.38 8.41,74.92 8.41,74.78 8.77,74.42 9.11,74.42 9.53,74.01 9.53,73.7 9.99,73.24 v1(9.99,72.88) ; v1(66.49,73.71) U1.AK6
  L3-SIGNAL w0.127: v1(66.49,73.71) 66.37,73.82 66.37,82.03 65.73,82.67 65.04,82.67 59.7,88 52.17,88 51.31,88.87 50.39,88.87 50.26,88.74 50.26,88.49 50.13,88.36 49.88,88.36 49.75,88.49 49.75,88.74 49.62,88.87 49.37,88.87 49.24,88.74 49.24,88.49 49.12,88.36 48.86,88.36 48.74,88.49 48.74,88.74 48.61,88.87 47.83,88.87 47.7,88.74 47.7,88.44 47.57,88.31 47.32,88.31 47.19,88.44 47.19,88.74 47.07,88.87 46.81,88.87 46.69,88.74 46.69,88.44 46.56,88.31 46.3,88.31 46.18,88.44 46.18,88.74 46.05,88.87 45.8,88.87 45.67,88.74 45.67,88.44 45.54,88.31 45.29,88.31 45.16,88.44 45.16,88.74 45.03,88.87 44.78,88.87 44.65,88.74 44.65,88.44 44.53,88.31 44.27,88.31 44.15,88.44 44.15,88.74 44.02,88.87 43.76,88.87 43.64,88.74 43.64,88.44 43.51,88.31 43.26,88.31 43.13,88.44 43.13,88.74 43,88.87 42.75,88.87 42.62,88.74 42.62,88.44 42.49,88.31 42.24,88.31 42.11,88.44 42.11,88.74 41.99,88.87 41.73,88.87 41.61,88.74 41.61,88.44 41.48,88.31 41.22,88.31 41.1,88.44 41.1,88.74 40.97,88.87 40.72,88.87 40.59,88.74 40.59,88.44 40.46,88.31 40.21,88.31 40.08,88.44 40.08,88.74 39.95,88.87 39.7,88.87 39.57,88.74 39.57,88.44 39.45,88.31 39.19,88.31 39.07,88.44 39.07,88.74 38.94,88.87 38.68,88.87 38.56,88.74 38.56,88.44 38.43,88.31 38.18,88.31 38.05,88.44 38.05,88.74 37.92,88.87 37.67,88.87 37.54,88.74 37.54,88.44 37.41,88.31 37.16,88.31 37.03,88.44 37.03,88.74 36.91,88.87 36.65,88.87 36.53,88.74 36.53,88.44 36.4,88.31 36.14,88.31 36.02,88.44 36.02,88.74 35.89,88.87 35.64,88.87 35.51,88.74 35.51,88.44 35.38,88.31 35.13,88.31 35,88.44 35,88.74 34.87,88.87 34.62,88.87 34.49,88.74 34.49,88.44 34.37,88.31 34.11,88.31 33.99,88.44 33.99,88.74 33.86,88.87 33.6,88.87 33.48,88.74 33.48,88.44 33.35,88.31 33.1,88.31 32.97,88.44 32.97,88.74 32.84,88.87 32.59,88.87 32.46,88.74 32.46,88.44 32.33,88.31 32.08,88.31 31.95,88.44 31.95,88.74 31.83,88.87 31.57,88.87 31.45,88.74 31.45,88.44 31.32,88.31 31.06,88.31 30.94,88.44 30.94,88.74 30.81,88.87 30.56,88.87 30.43,88.74 30.43,88.44 30.3,88.31 30.05,88.31 29.92,88.44 29.92,88.74 29.79,88.87 28.81,88.87 25.36,85.43 18.63,85.43 16.26,83.05 15.64,83.05 15.13,82.54 13.62,82.54 13.29,82.21 13.29,81.55 11.89,80.15 11.18,80.15 10.26,81.07 9.55,81.07 8.28,79.8 8.28,72.79 8.65,72.42 9.52,72.42 v1(9.99,72.88)